# Altium PCB base-32-bit.PcbDoc (part 3 of 3)
Units mil, origin at the board's own origin, x right, y up, seen from the top; angles counter-clockwise.
Board outline 1400 x 1750 mil, 6 copper layers (TOP01, GND02, SIG03, SIG04, PWR05, BOTT06), stack 52.421 mil thick; 71 components, 133 nets, 544 pads, 405 vias.
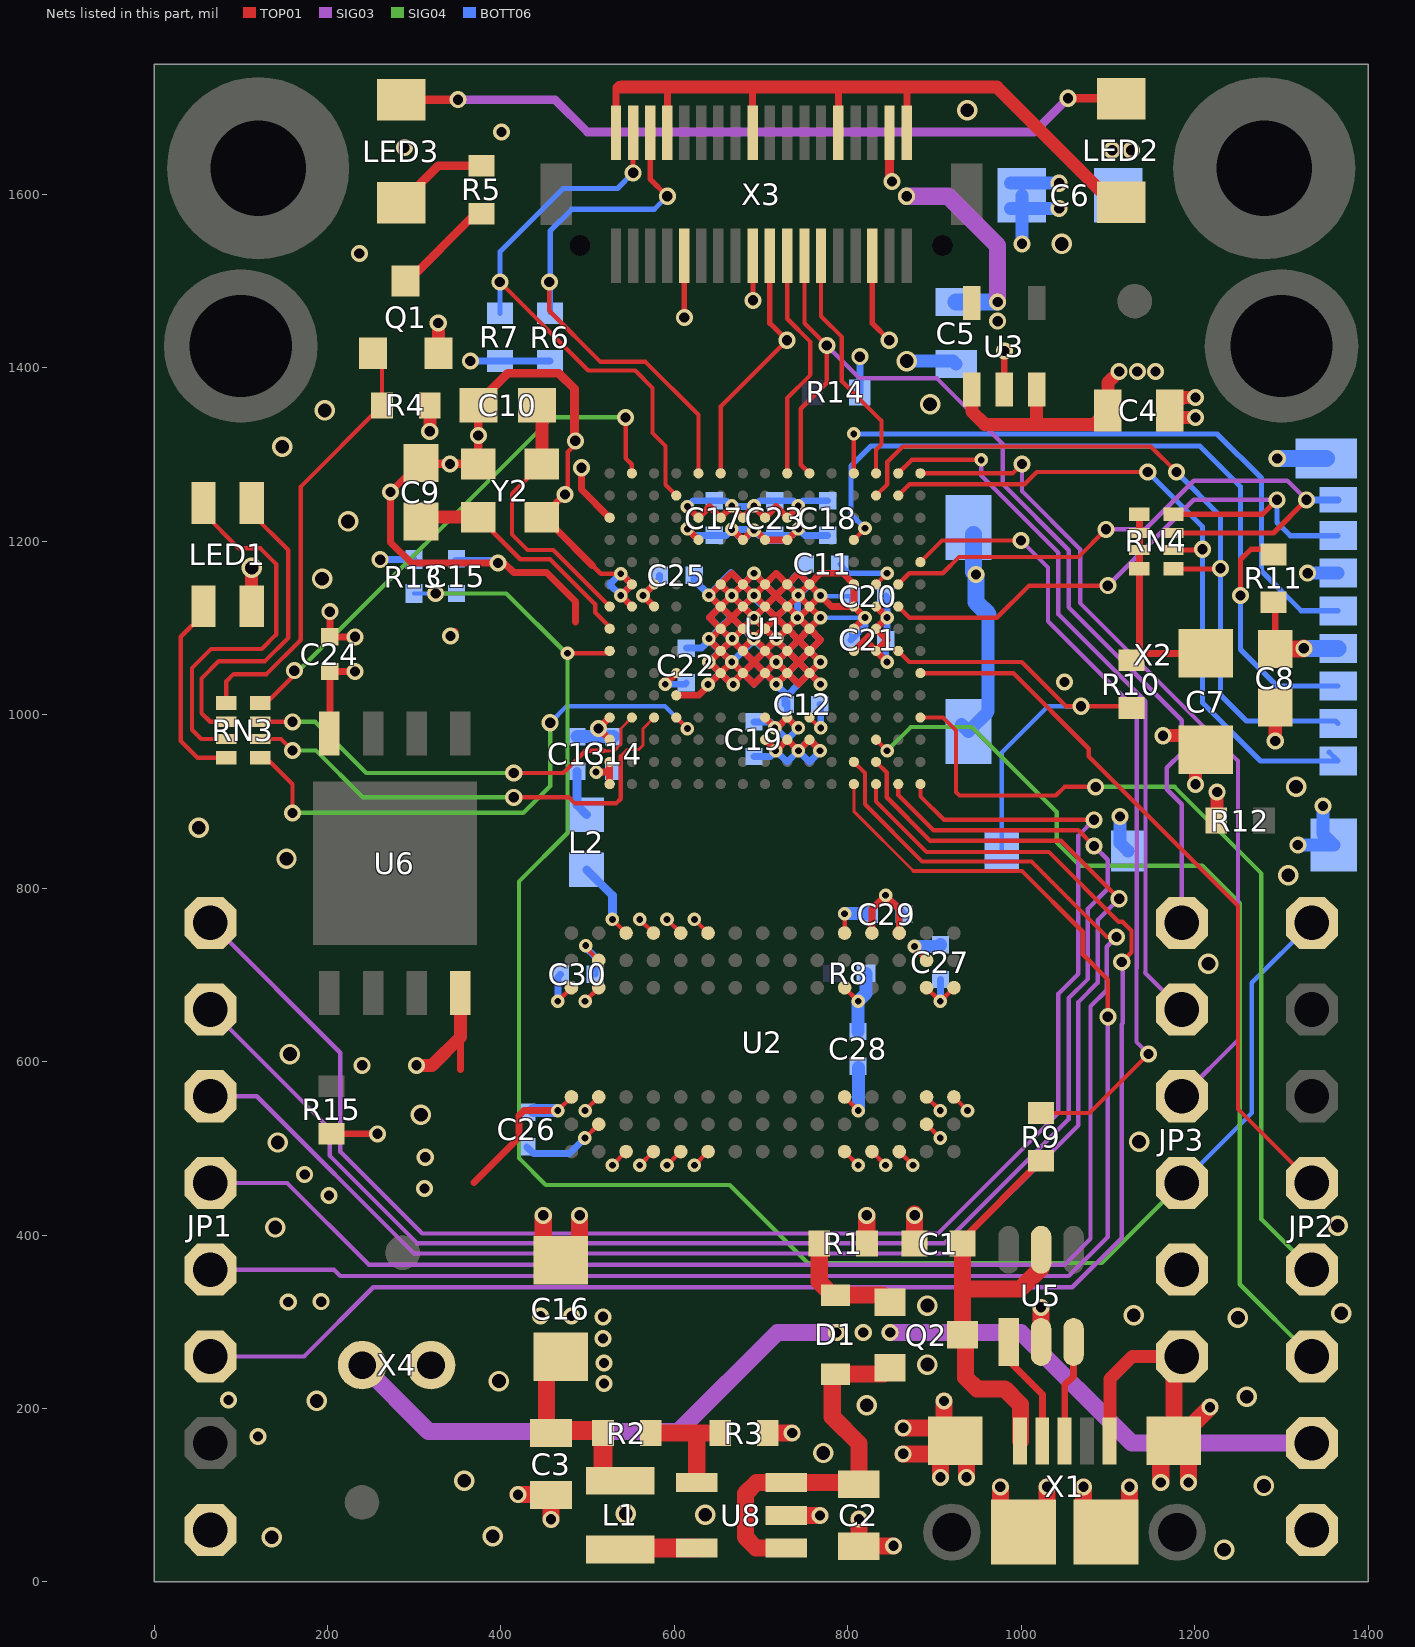
[diagram p7: the nets of this part, all layers, seen from the top]

## Via types
v1: diameter 15.75, hole 7.87, TOP01 to BOTT06, tented both sides, 184 vias
v2: diameter 19.68, hole 11.81, TOP01 to BOTT06, tented both sides, 168 vias
v3: diameter 23.62, hole 15.75, TOP01 to BOTT06, tented both sides, 37 vias
v4: diameter 18/18/18/18 (per signal layer), hole 10, TOP01 to BOTT06, tented both sides, 16 vias

## Nets (pads, with @x,y where several pads share a name; then routed paths per layer and width w, separated by ;. In a path a pad name is that pad's centre, name@x,y a point inside that pad or via, vN(x,y) a via of type N, cw(c..) or ccw(c..) an arc to the next point about the centre after c; other vN are vias at no path point) (continued)
GND: C1.1 C2.1 C3.1 C4.1 C5.1 C6.C C7.C C8.2 C9.1 C10.1 C11.2 C12.2 C13.2 C14.2 C15.2 C16.C C17.2 C18.2 C19.2 C20.2 C21.2 C22.2 C23.2 C24.2 C25.2 C26.2 C27.2 C28.2 C29.2 C30.2 JP2.8 JP3.6 Q1.2 R1.1 R3.1 R4.1 R12.1 U1.D5 U1.D7 U1.D8 U1.D9 U1.F2 U1.F6 U1.F7 U1.F8 U1.F9 U1.F10 U1.F12 U1.G2 U1.G6 U1.G7 U1.G8 U1.G9 U1.G10 U1.G12 U1.H6 U1.H7 U1.H8 U1.H9 U1.H10 U1.H12 U1.J6 U1.J7 U1.J8 U1.J9 U1.J10 U1.K6 U1.K7 U1.K8 U1.K9 U1.K10 U1.L4 U1.M1 U1.M8 U1.M9 U1.N1 U2.A3 U2.B3 U2.B8 U2.C1 U2.D1 U2.E9 U2.F1 U2.L3 U2.L9 U2.M1 U2.N1 U2.P3 U2.P8 U2.R3 U3.2 U5.2 U6.4 U8.2 X1.5 X1.S X2.CD$2 X2.G X2.P$6 X3.5 X3.19 X3.27 X4.2 Y2.2 Y2.4 | length 8597.6
  TOP01 w5: v1(465.55,543.46) U2.A3@481.3,559.21 ; v2(473.76,1253.69) 476.92,1256.85 476.92,1302.85 v2@484.76,1310.69 ; v1(497.04,543.46) U2.B3@512.8,559.21 ; v1@497.05,732.44 U2.B8@512.8,716.69 ; 505.76,1171.69 515.08,1162.37 v1(538.18,1162.37) ; v1(528.54,480.47) U2.C1@544.29,496.22 ; v1(560.03,480.47) U2.D1@575.79,496.22 ; v1(591.53,763.94) U2.E9@607.28,748.19 ; v1(623.03,480.47) U2.F1@638.78,496.22 ; U2.L3@796.26,559.21 v1(812.01,543.46) ; U2.L9@796.26,748.19 v1(796.26,770.46) ; U2.M1@827.76,496.22 v1(843.5,480.47) ; U2.N1@859.25,496.22 v1(875,480.47) ; v1@875,732.44 U2.P8@890.75,716.69 ; U2.P3@890.75,559.21 v1(906.49,543.46) ; U2.R3@922.24,559.21 v1(937.99,543.46)
  TOP01 w6: v2(611.42,1458.03) X3.27@611.42,1529.13 ; v2(690.56,1477.69) X3.19@690.56,1528.73 ; X3.5@828,1529.13 828,1451.38 v2(847.69,1431.69)
  TOP01 w7.87: U1.N1@525.4,971.1 v2(512.61,983.89) U1.M1@525.4,996.69 ; v1(538.18,1162.37) 538.85,1162.37 550.98,1150.24 v1(538.18,1137.44) U1.G2@550.99,1124.65 ; U1.L4@602.17,1022.28 627.75,1022.28 639.89,1034.42 v1@639.63,1034.69 ; v1(614.98,1214.22) U1.D5@627.76,1201.42 ; v1(638.76,1034.69) v1@639.63,1034.69 ; v1(639.76,1060.69) v1@640.58,1060.69 ; v1(639.76,1087.69) 639.76,1087.06 v1@640.57,1086.25 ; v1(639.76,1137.69) 640.3,1137.69 v1@640.54,1137.45 ; U1.F6@653.36,1150.24 v1(666.14,1137.45) ; v1@666.14,1087.07 v1(666.76,1087.69) ; v1(666.15,1213.55) 666.81,1213.55 U1.D7@678.94,1201.42 690.21,1212.69 v1(691.76,1212.69) ; v1(666.76,1087.69) v1@666.14,1087.03 ; U1.J7@678.66,1074.91 v1(691.48,1087.69) ; U1.H7@678.68,1100.5 U1.H7@679.53,1099.65 ; U1.J7@678.94,1073.47 691.74,1060.68 ; U1.J7@678.94,1073.47 v1@666.15,1086.26 ; v1@689.56,1139.61 U1.F7@678.93,1150.23 ; v1(691.48,1087.69) U1.H8@703.67,1099.88 ; v1@691.76,1214.19 v1(691.76,1212.69) ; U1.J8@704.27,1074.88 v1(691.48,1087.69) ; U1.H8@704.29,1100.5 U1.H8@703.67,1099.88 ; U1.M8@704.53,996.69 v1@716.53,984.69 ; U1.K8@704.54,1047.87 691.74,1035.07 U1.K7@678.94,1047.87 ; U1.J8@704.53,1073.47 691.74,1060.68 ; U1.H8@704.54,1099.03 U1.H8@704.76,1098.81 ; U1.H8@705.71,1099.76 U1.H8@704.76,1098.81 ; v1(715.76,984.69) v1@716.53,984.69 ; 717.32,1163.02 U1.F8@704.52,1150.23 ; v1(717.35,1060.66) U1.J8@704.53,1073.47 v1@717.35,1086.25 ; 717.34,1163.04 U1.F9@730.13,1150.24 ; v1(717.76,1087.69) 715.88,1087.69 U1.H8@704.76,1098.81 ; U1.K9@730.13,1047.87 v1(717.35,1060.66) ; U1.H9@730.12,1099.06 717.33,1111.86 ; U1.H9@730.12,1099.06 741.76,1110.71 v1(741.76,1111.69) ; U1.G9@730.12,1124.65 v1@741.76,1113.04 ; U1.F9@730.13,1150.24 742.94,1163.03 U1.F10@755.48,1150.48 ; v1@742.72,1110.73 v1@743.39,1111.41 ; v1@742.76,984.69 742.12,984.69 U1.M9@730.12,996.69 718.12,984.69 v1@716.53,984.69 ; 742.93,1060.66 U1.K10@755.72,1047.87 ; 742.93,1060.67 U1.J9@730.12,1073.47 v1(717.35,1060.66) ; v1@742.93,1111.36 v1@743.18,1111.62 ; v1(742.92,1214.22) U1.D9@730.12,1201.42 U1.D8@704.53,1201.42 693.26,1212.69 v1(691.76,1212.69) ; 742.94,1086.25 U1.J10@755.72,1073.47 ; v1@742.94,1111.86 v1@741.76,1113.04 ; U1.G10@755.47,1124.9 v1(742.7,1137.69) U1.F10@755.48,1150.48 ; U1.G10@755.72,1124.16 v1@743.18,1111.62 ; U1.F10@755.72,1150.24 U1.F10@755.48,1150.48 ; U1.G10@755.97,1124.41 v1@768.5,1111.87 ; U1.G10@755.97,1124.9 v1(768.53,1137.45) ; v1(768.53,1035.09) U1.K10@755.72,1047.87 ; 768.52,1086.26 U1.H10@755.72,1099.06 742.93,1086.27 ; 768.53,1086.26 U1.J10@755.72,1073.47 ; v1@768.76,1111.61 v1@768.5,1111.87 ; v1@768.76,1137.69 v1(768.53,1137.45) ; U1.H12@806.9,1099.06 v1(819.7,1111.85) U1.G12@806.9,1124.65 ; U3.2@980.36,1374.69 v2(980.36,1419.29) ; v1@639.63,1034.69 640.16,1034.69 U1.K6@653.35,1047.87 ; v1@640.56,1060.68 U1.K6@653.35,1047.87 ; v1@640.58,1060.69 U1.J6@653.35,1073.47 ; v1@640.57,1086.25 U1.H6@653.35,1099.03 ; v1@640.57,1086.25 U1.J6@653.35,1073.47 ; v1@640.54,1137.45 666.13,1163.03 U1.F7@678.93,1150.23 ; v1@640.54,1137.45 U1.G6@653.35,1124.65 ; U1.K6@653.35,1047.87 666.54,1034.69 v1(667.76,1034.69) 667.76,1036.7 U1.K7@678.94,1047.87 ; U1.K6@653.35,1047.87 v1(666.16,1060.67) ; U1.J6@653.35,1073.47 v1@666.14,1086.25 ; U1.J6@653.35,1073.47 v1(666.16,1060.67) ; U1.H6@653.35,1099.03 640.56,1111.83 U1.G6@653.35,1124.65 ; U1.H6@653.35,1099.06 666.15,1111.86 ; U1.H6@653.35,1099.06 665.73,1086.66 v1@666.14,1086.25 ; U1.G6@653.35,1124.65 666.15,1111.86 ; U1.G6@653.35,1124.65 v1(666.14,1137.45) ; v1(666.16,1060.67) U1.K7@678.94,1047.87 ; v1@666.15,1086.26 U1.H7@678.94,1099.06 ; v1@666.14,1087.03 666.14,1086.27 665.76,1086.65 v1@666.14,1087.03 ; 666.15,1111.85 U1.H7@678.94,1099.06 ; 666.15,1111.86 U1.G7@678.92,1124.63 ; v1(666.14,1137.45) U1.G7@678.94,1124.65 ; v1(666.14,1137.45) U1.F7@678.93,1150.23 ; U1.G7@678.92,1124.63 v1(691.73,1137.45) ; U1.G7@678.92,1124.63 v1(691.71,1111.85) ; U1.F7@678.93,1150.23 v1(691.72,1163.03) U1.F8@704.52,1150.23 ; U1.K7@678.94,1047.87 691.74,1060.68 ; U1.H7@678.94,1099.06 U1.H7@679.53,1099.65 ; U1.H7@679.53,1099.65 v1@691.72,1111.84 ; U1.H7@679.53,1099.65 v1(691.48,1087.69) ; v1@691.72,1111.84 U1.H8@703.67,1099.88 ; v1@691.72,1111.84 U1.G8@704.51,1124.63 ; v1(691.73,1137.45) U1.G8@704.53,1124.65 ; v1(691.73,1137.45) U1.F8@704.52,1150.23 ; 691.74,1060.68 U1.K8@704.54,1047.87 ; U1.H8@703.67,1099.88 704.5,1099.05 717.33,1111.86 ; U1.G8@704.53,1124.65 717.33,1137.45 ; U1.G8@704.53,1124.65 717.33,1111.86 ; U1.F8@704.52,1150.23 717.31,1137.45 ; U1.K8@704.54,1047.87 v1(717.35,1060.66) ; U1.K8@704.54,1047.87 v1(717.36,1035.08) U1.K9@730.13,1047.87 ; 717.33,1111.86 U1.G9@730.12,1124.65 ; 717.33,1137.45 U1.F9@730.13,1150.24 ; 717.33,1137.45 U1.G9@730.12,1124.65 ; v1@717.35,1086.25 U1.H9@730.12,1099.06 742.93,1086.27 ; v1@717.35,1086.25 U1.J9@730.12,1073.47 742.93,1086.27 ; U1.G9@730.12,1124.65 742.92,1137.45 U1.F9@730.13,1150.24 ; U1.K9@730.13,1047.87 U1.J10@755.72,1073.47 ; U1.K9@730.13,1047.87 742.94,1035.09 U1.K10@755.72,1047.87 ; v1(741.76,1111.69) 743.11,1111.69 v1@743.18,1111.62 ; v1(741.76,1111.69) v1@741.76,1113.04 ; v1@743.18,1111.62 v1@743.39,1111.41 ; v1@743.39,1111.41 U1.H10@755.72,1099.06 v1@768.5,1111.87 ; U1.K10@755.72,1047.87 v1(768.52,1060.68) U1.J10@755.72,1073.47 ; v1(768.53,1137.45) 755.74,1150.24 768.54,1163.03 794.11,1163.03 U1.F12@806.9,1150.24 U1.G12@806.9,1124.65 ; v1(768.53,1137.45) 781.32,1124.65 U1.G12@806.9,1124.65
  TOP01 w8: v2(202.76,1118.69) C24.2@202.76,1089.69 v2(231.76,1089.69) ; C9.1@307.76,1290.15 306.22,1290.15 v2(272.76,1256.69) 272.76,1198.69 296.76,1174.69 v2(396.76,1174.69) 403.76,1174.69 414.76,1163.69 452.76,1163.69 485.76,1130.69 485.76,1106.69 ; v2(341.76,1090.69) v2@347.09,1096.02 ; 353.35,591.1 353.35,628.28 ; 368.76,460.69 420.76,512.69 420.76,537.69 426.53,543.46 v1(465.55,543.46) ; v2(473.76,1253.69) 473.15,1253.69 Y2.2@447.13,1227.67 459.12,1215.69 461.76,1215.69 505.76,1171.69
  TOP01 w10: C9.1@307.76,1290.15 308.83,1289.09 v2(341.37,1289.09) Y2.4@373.91,1289.09 v2(373.91,1321.69) C10.1@373.91,1356.3 ; C10.1@374.3,1356.69 374.3,1360.23 407.76,1393.69 466.76,1393.69 484.76,1375.69 v2@484.76,1310.69
  TOP01 w15: v2(302.76,595.69) 320.76,595.69 353.35,628.28 U6.4@353.35,679.08 ; v2(317.96,1326.69) R4.1@317.96,1356.69 R4.1@317.96,1361.49 ; v2(327.76,1451.69) 327.76,1416.89 Q1.2@327.96,1416.69 ; X1.5@1102,162.5 1102,233.93 1128.07,260 JP3.6@1185,260 ; v2(1163.22,975.69) C7.C@1201.76,975.69 ; C4.1@1171.19,1350.69 1186.19,1365.69 v2(1200.76,1365.69) ; C4.1@1180.76,1339.69 1183.76,1342.69 v2(1200.76,1342.69) ; v2(1200.76,919.69) 1200.76,943.69 C7.C@1212.76,955.69 ; R12.1@1224.76,877.69 1226.76,879.69 1225.76,880.69 v2(1225.76,910.69) ; v2(1292.76,969.69) C8.2@1292.76,1008.23
  TOP01 w19.68: v2(419.76,100.69) C3.1@447.76,100.69 ; C16.C@448.76,391.69 v2@448.76,419.69 ; v2(457.76,72.26) C3.1@457.76,100.26 ; C16.C@490.76,391.69 v2@490.76,418.69 ; R3.1@707.76,171.69 v2(735.76,171.69) ; U8.2@739.76,76.69 v2(767.76,76.69) ; C2.1@812.76,44.69 v2(812.76,72.69) ; v2(821.76,422.69) 821.76,390.26 R1.1@822.02,390 ; C2.1@824.76,41.69 v2(852.76,41.69) ; v2(863.76,147.69) 891.76,147.69 ; v2(863.76,177.69) 891.76,177.69 ; C1.1@877.02,390 v2(877.02,422.69) v2@877.02,424.43 ; v2(906.76,120.69) X1.S@906.76,148.69 ; X1.S@910.76,180.69 v2(910.76,208.69) ; v2(936.76,120.69) X1.S@936.76,148.69 ; X1.S@975.76,81.69 v2(975.76,109.69) ; U5.2@1022.76,276.69 v2(1022.76,316.69) ; X1.S@1029.76,81.69 v2(1029.76,109.69) ; X1.S@1071.76,81.69 v2(1071.76,109.69) ; X1.S@1124.76,81.69 v2(1124.76,109.69) ; v2(1160.76,114.69) X1.S@1160.76,142.69 ; v2(1192.76,114.69) X1.S@1192.76,142.69 ; X1.S@1197.76,181.69 v2(1217.56,201.49)
  TOP01 w20: X1.S@1176,162.5 1176,251 JP3.6@1185,260
  BOTT06 w5: v1@767.76,1137.44 768.51,1136.69 C20.2@803.76,1136.69 803.76,1127.79 v1(819.7,1111.85) ; v1(768.52,1111.88) v1(819.7,1111.85) ; C21.2@803.76,1086.24 803.76,1095.92 v1(819.7,1111.85)
  BOTT06 w7.87: v1(497.76,733.69) 497.76,731.73 508.76,720.73 C30.2@508.76,700.69 ; v2(512.61,983.89) 521.81,974.69 C14.2@529.76,974.69 ; v1(538.18,1162.37) 537.52,1162.37 525.39,1150.24 v1(538.18,1137.44) 550.98,1150.24 v1@538.18,1163.03 ; v1(614.98,1214.22) 622.5,1206.69 C17.2@645.76,1206.69 ; v1(638.76,1034.69) 639.5,1034.69 652.69,1047.88 ; v1(639.76,1060.69) 652.56,1073.49 v1@639.76,1086.28 ; v1(639.76,1087.69) 640.76,1087.69 652.73,1099.66 ; v1@640.56,1060.68 666.54,1034.69 v1(667.76,1034.69) 667.76,1036.7 678.94,1047.88 ; v1@640.57,1086.26 653.36,1073.47 ; 652.56,1125.44 639.76,1138.23 665.35,1163.82 ; 653.34,1150.24 v1(666.14,1137.45) ; 665.35,1112.28 652.73,1099.66 ; 666.14,1163.04 678.93,1150.25 ; v1(666.15,1213.55) 678.94,1200.76 691.32,1213.13 v1@691.74,1213.55 ; v1(666.76,1087.69) 664.7,1087.69 653.35,1099.04 652.73,1099.66 ; 678.97,1073.46 691.75,1060.68 ; v1@691.76,1086.26 704.54,1073.48 ; v1(691.76,1212.69) 697.76,1206.69 C23.2@715.76,1206.69 735.39,1206.69 v1(742.92,1214.22) 750.44,1206.69 C18.2@776.76,1206.69 ; 704.53,1047.88 691.74,1035.09 678.94,1047.88 ; 704.5,1124.64 703.55,1123.69 ; 704.51,1150.24 v1(691.72,1163.03) 678.93,1150.25 ; 704.54,1124.62 717.33,1111.83 ; 704.54,1150.21 717.31,1137.44 730.13,1124.62 717.33,1111.83 ; v1(715.76,984.69) v1@716.53,984.69 ; v1@717.35,1086.26 730.15,1073.46 v1(717.35,1060.66) ; C12.2@730.12,1014.78 730.12,996.69 ; 730.16,1022.28 742.95,1035.08 ; 742.93,1086.26 730.14,1099.05 v1@742.92,1111.83 ; v1@742.93,1111.87 742.43,1112.37 741.76,1113.04 741.76,1137.69 v1(742.7,1137.69) 730.14,1150.24 742.94,1163.04 755.73,1150.24 ; v1@742.95,1111.85 755.75,1099.05 ; v1@742.94,1137.45 755.73,1150.24 ; 755.73,1099.06 742.93,1086.26 ; v1(768.53,1035.09) 755.75,1047.87 ; v1(768.52,1060.68) 755.74,1073.45 ; v1(768.53,1137.45) 755.73,1150.24 ; v1(768.52,1060.68) 755.75,1047.87 ; v1(768.52,1111.88) 755.75,1099.05 ; C21.2@803.76,1086.24 819.7,1102.17 v1(819.7,1111.85) ; 652.73,1099.66 640.56,1111.84 653.35,1124.63 ; 653.36,1073.47 v1(666.16,1060.67) ; 653.36,1073.47 v1@666.16,1086.26 ; 653.34,1124.65 v1(666.14,1137.45) ; 653.34,1124.65 678.93,1099.06 v1@691.71,1111.82 ; v1(666.16,1060.67) 678.94,1047.88 ; v1(666.16,1060.67) 678.95,1073.47 ; v1@666.16,1086.26 678.95,1073.47 ; v1@666.16,1086.26 665.76,1086.66 v1(666.76,1087.69) v1@666.76,1086.86 ; v1@666.16,1086.26 v1@666.76,1086.86 ; v1(666.14,1137.45) 678.93,1124.65 ; v1(666.14,1137.45) 678.93,1150.24 ; v1@666.76,1086.86 678.94,1099.04 v1@691.73,1086.25 ; 678.93,1124.65 v1@690.76,1136.48 ; 678.93,1124.65 v1@691.72,1111.86 ; 678.93,1150.24 v1(691.73,1137.45) v1@690.76,1136.48 ; 678.94,1047.88 691.75,1060.68 ; 678.95,1073.47 v1@691.73,1086.25 ; v1@690.76,1136.48 703.55,1123.69 ; v1@691.73,1086.25 704.52,1099.04 v1@691.71,1111.82 ; v1@691.72,1111.86 703.55,1123.69 ; 691.75,1060.68 704.56,1047.87 ; 691.75,1060.68 704.54,1073.48 ; 704.56,1047.87 v1(717.35,1060.66) ; 704.57,1047.87 v1(717.36,1035.08) 730.16,1047.87 ; 704.54,1073.48 v1(717.35,1060.66) ; 704.54,1073.48 v1@717.32,1086.26 ; v1@716.53,984.69 730.12,971.1 742.76,983.74 742.76,984.69 742.12,984.69 730.12,996.69 ; v1@716.53,984.69 718.12,984.69 730.12,996.69 ; v1@717.32,1086.26 716.82,1086.75 704.54,1099.03 717.33,1111.83 ; v1@717.32,1086.26 717.76,1086.7 v1(717.76,1087.69) 718.79,1087.69 730.13,1099.03 717.33,1111.83 ; v1(717.35,1060.66) 730.16,1047.87 ; 730.16,1047.87 742.95,1060.66 ; 730.16,1047.87 742.95,1035.08 ; 742.93,1086.26 755.74,1073.45 ; 742.93,1086.26 730.14,1073.47 742.95,1060.66 ; 742.95,1035.08 755.75,1047.87 ; 742.95,1060.66 755.74,1073.45 ; 742.95,1060.66 755.75,1047.87 ; 755.74,1073.45 768.54,1086.26 755.75,1099.05
  BOTT06 w8: C22.2@613.76,1076.69 631.01,1076.69 639.76,1085.44 639.76,1086.28 v1(639.76,1087.69) ; C25.2@622.76,1160.69 622.76,1155.23 639.76,1138.23 v1(639.76,1137.69) ; C17.2@645.76,1206.69 659.28,1206.69 v1(666.15,1213.55) 690.9,1213.55 691.32,1213.13 v1(691.76,1212.69) ; C19.2@691.76,991.69 710.76,991.69 715.76,986.69 v1(715.76,984.69) ; v1(717.36,1035.08) 727.76,1024.68 C12.2@727.76,1011.69
  BOTT06 w10: C15.2@347.76,1176.69 v2@397.76,1176.69
  BOTT06 w15: C26.2@437.53,543.46 v1(465.55,543.46) ; C13.2@487.76,974.69 521.81,974.69 C14.2@529.76,974.69 ; v1(796.26,770.46) 823.99,770.46 C29.2@824.76,769.69 ; v1(812.01,543.46) C28.2@812.01,593.44 ; v3(867.76,1407.69) 921.33,1407.69 C5.1@924.76,1404.26 ; v1(876.76,732.69) 904.26,732.69 904.51,732.44 C27.2@906.76,734.69 ; X2.G@930.76,988.81 X2.G@938.98,980.59 961.76,1003.37 961.76,1115.69 ; C6.C@987.76,1583.69 C6.C@1000.64,1583.69 ; C6.C@987.76,1612.69 v2(1043.64,1612.69) ; v2(1000.64,1542.81) C6.C@1000.64,1583.69 ; C6.C@1000.64,1598.69 C6.C@1000.64,1583.69 ; v2(1043.64,1583.69) C6.C@1000.64,1583.69 ; v2(1113.76,882.69) 1113.76,852.07 X2.CD$2@1123.03,842.8 ; v2(1318.76,849.69) X2.G@1360.24,849.68 1347.76,862.16 v2(1347.76,894.69) ; v2(1330.14,1163.07) X2.P$6@1365.16,1163.07
  BOTT06 w19.68: v2@944.76,1164.69 X2.G@944.76,1207.41 ; v2(947.76,1161.69) 947.76,1129.69 961.76,1115.69
  BOTT06 w20: v2(1295.1,1295.35) X2.G@1351.38,1295.35
  other v1: 742.92,984.69
  other v2: 119.76,167.69 85.76,209.69 154.76,322.69 192.76,323.12 448.76,422.69 490.76,422.69 201.76,445.69 311.76,453.69 173.76,469.69 312.76,489.69 240,595.69 1049.74,1037.69 485.76,1315.69 236.76,1531.69 288.76,1653.69 400.76,1671.69
  other v3: 1233.76,37.32 135.76,51.69 390.76,52.69 635.76,77.69 543.76,78.69 1279.76,110.69 357.76,116.69 771.76,148.69 821.76,203.69 187.76,208.69 1259.76,213.69 397.76,231.69 891.76,250.69 1249.76,304.69 1129.76,307.69 1368.76,309.69 891.76,318.69 139.76,408.69 1364.76,410.69 142.76,506.69 1135.76,507.69 307.76,538.69 156.76,608.69 1215.76,712.69 1307.76,814.69 152.76,833.69 51.76,869.69 1316.76,916.69 193.76,1156.69 223.76,1222.69 147.76,1308.69 196.76,1350.69 894.76,1357.69 1046.76,1542.69 937.76,1696.69
I2C1_SCL: R6.2 U1.A5 X3.32 | length 649.3
  TOP01 w5: v2(455.76,1498.69) 455.76,1465.69 514.76,1406.69 566.76,1406.69 627.76,1345.69 U1.A5@627.76,1278.19
  TOP01 w6: X3.32@572.05,1671 572.05,1617.45 v2(591.81,1597.69)
  BOTT06 w6: R6.2@456.76,1463.69 456.76,1557.69 481.76,1582.69 576.81,1582.69 v2(591.81,1597.69)
I2C1_SDA: R7.2 U1.B4 X3.34 | length 669.9
  TOP01 w5: v2(398.76,1498.69) 500.76,1396.69 554.76,1396.69 574.76,1376.69 574.76,1324.69 589.76,1309.69 589.76,1265.02 U1.B4@602.18,1252.6
  TOP01 w6: v2(552.44,1624.69) X3.34@552.44,1670.28
  BOTT06 w6: R7.2@398.76,1462.69 v2(398.76,1498.69) 398.76,1533.69 471.76,1606.69 534.44,1606.69 v2(552.44,1624.69)
I2C2_SCL: JP1.5 U1.R12 | length 1773.2
  TOP01 w3.5: U1.R12@806.9,919.92 806.9,888.55 875.76,819.69
  TOP01 w5: 875.76,819.69 1000.76,819.69 1070.76,749.69 1070.76,723.69 1099.76,694.69 v2(1099.76,651.69)
  SIG03 w5: JP1.5@65,360 207.45,360 214.76,352.69 1054.76,352.69 1099.76,397.69 v2(1099.76,651.69)
I2C2_SDA: JP1.6 U1.R13 | length 1843.7
  TOP01 w5: U1.R13@832.49,919.92 832.49,899.96 890.76,841.69 1031.76,841.69 1112.42,761.03 1116.94,761.03 1127.1,750.87 1127.1,726.03 v2(1115.76,714.69)
  SIG03 w5: JP1.6@65,260 173.07,260 252.76,339.69 1058.76,339.69 1115.76,396.69 1115.76,643.16 1117.1,644.51 1117.1,713.35 v2(1115.76,714.69)
LED_B: RN3.1 U1.M4 | length 660.4
  TOP01 w5: RN3.1@122.76,950.35 129.1,950.35 159.76,919.69 v2(159.76,886.69) ; U1.M4@602.17,996.69 v1(614.97,983.89)
  SIG04 w5: v2(159.76,886.69) 425.76,886.69 456.76,917.69 v2(456.76,990.69)
  BOTT06 w5: v2(456.76,990.69) 475.76,1009.69 589.17,1009.69 v1(614.97,983.89)
LED_G: RN3.2 U1.M3 | length 565.5
  TOP01 w3.5: 538.18,952.11 545.64,959.57 558.64,959.57 563.79,964.72 563.79,983.89 U1.M3@576.58,996.69
  TOP01 w5: RN3.2@122.76,972.01 146.45,972.01 v2(159.76,958.69) ; v2(414.76,904.69) 478.43,904.69 485.43,897.69 532.76,897.69 538.18,903.11 538.18,952.11
  SIG04 w5: v2(159.76,958.69) 186.76,958.69 240.76,904.69 v2(414.76,904.69)
LED_IR: RN3.4 U1.A2 | length 624.9
  TOP01 w5: RN3.4@122.76,1013.34 129.41,1013.34 v2@166.76,1050.69 ; v2(543.76,1342.69) 543.76,1295.69 550.76,1288.69 550.76,1278.42 U1.A2@550.99,1278.19
  SIG04 w5: v2@166.76,1050.69 458.76,1342.69 v2(543.76,1342.69)
  other v2: 161.76,1050.69
LED_R: RN3.3 U1.M2 | length 489.7
  TOP01 w3.5: 519.24,958.3 530.5,958.3 538.33,966.14 538.33,984.03 U1.M2@550.99,996.69
  TOP01 w5: RN3.3@122.76,991.69 v2(159.76,991.69) ; v2(414.76,932.69) 471.76,932.69 497.38,958.3 519.24,958.3
  SIG04 w5: v2(159.76,991.69) 185.76,991.69 244.76,932.69 v2(414.76,932.69)
NetC9_2: C9.2 U1.H1 Y2.1 | length 279.7
  TOP01 w5: C9.2@307.76,1222.69 C9.2@312.71,1227.64 ; Y2.1@373.91,1227.64 422.36,1179.19 456.72,1179.19 508.76,1127.15 508.76,1117.69 525.4,1101.05 U1.H1@525.4,1099.06
  TOP01 w15: C9.2@312.71,1227.64 Y2.1@373.91,1227.64
NetC10_2: C10.2 U1.G1 Y2.3 | length 312.5
  TOP01 w5: C10.2@441.76,1356.69 C10.2@447.13,1351.32 ; Y2.3@447.13,1289.09 412.76,1254.72 412.76,1207.69 430.6,1189.85 460.2,1189.85 U1.G1@525.4,1124.65
  TOP01 w15: Y2.3@447.13,1289.09 C10.2@447.13,1351.32
NetC13_1: C13.1 C14.1 L2.1 U1.P1 U1.R1 | length 94.8
  TOP01 w8: v1(509.76,933.69) 524.4,933.69 ; U1.R1@525.4,919.92 U1.P1@525.4,945.51
  BOTT06 w10: C13.1@487.76,934.69 487.76,895.69 L2.1@498.76,884.69
NetLED1_B: LED1.B RN3.8 | length 226.8
  TOP01 w5: LED1.B@57,1125 57,1115.93 30.76,1089.69 30.76,969.69 50.1,950.35 RN3.8@83.39,950.35
NetLED1_G: LED1.G RN3.7 | length 429.2
  TOP01 w5: LED1.G@57,1244.06 57,1232.45 97.76,1191.69 122.76,1191.69 140.76,1173.69 140.76,1092.27 124.18,1075.69 65.76,1075.69 43.76,1053.69 43.76,982.69 54.45,972.01 RN3.7@83.39,972.01
NetLED1_R: LED1.R RN3.6 | length 365.2
  TOP01 w5: RN3.6@83.39,991.69 64.76,991.69 54.76,1001.69 54.76,1041.69 74.76,1061.69 127.99,1061.69 154.76,1088.46 154.76,1189.69 112.56,1231.89 LED1.R@112.56,1244.06
NetLED2_C: LED2.C LED3.A | length 861.9
  TOP01 w10: LED3.A@285,1709.06 v2(350.39,1709.06) ; v2(1053.76,1710.69) 1114.31,1710.69 LED2.C@1115,1710
  SIG03 w10: v2(350.39,1709.06) 462.39,1709.06 499.76,1671.69 1014.76,1671.69 v2(1053.76,1710.69)
NetLED3_C: LED3.C R5.2 | length 110.4
  TOP01 w10: LED3.C@285,1590 327.69,1632.69 R5.2@377.76,1632.69
NetQ1_1: Q1.1 R4.2 RN3.5 | length 504.3
  TOP01 w5: RN3.5@83.39,1013.34 83.39,1038.32 91.76,1046.69 129.76,1046.69 169.34,1086.27 169.34,1263.07 R4.2@262.96,1356.69 262.96,1406.29 Q1.1@252.56,1416.69
NetQ1_3: Q1.3 R5.1 | length 124.3
  TOP01 w10: Q1.3@289.96,1500.06 293.13,1500.06 369.07,1576 R5.1@382.76,1576
NetR2_1: R2.1 R3.2 U8.4 | length 135
  TOP01 w19.68: R2.1@572.76,171.69 R3.2@652.76,171.69 ; U8.4@625.76,114.69 625.76,169.69
NetR9_1: R9.1 U1.E15 | length 931.7
  TOP01 w5: U1.E15@883.67,1175.83 908.53,1200.69 v2(999.76,1200.69) ; R9.1@1022.76,540.69 1078.76,540.69 v2(1146.76,608.69)
  SIG03 w5: v2(999.76,1200.69) 1030.76,1169.69 1030.76,1107.69 1133.1,1005.35 1133.1,707.51 1132.76,707.16 1132.76,622.69 v2(1146.76,608.69)
NetU5_1: U5.1 X1.2 | length 130.4
  TOP01 w7.87: U5.1@985.36,276.69 985.36,255.09 1024.41,216.04 X1.2@1024.41,162.5
NetU5_3: U5.3 X1.3 | length 118.4
  TOP01 w7.87: X1.3@1050,162.5 1050,226.93 1060.16,237.09 U5.3@1060.16,276.69
NRST: C15.1 JP2.1 JP3.4 R13.1 U1.J1 | length 2099.5
  TOP01 w5: v1(476.76,1070.69) 522.62,1070.69 U1.J1@525.4,1073.47
  SIG04 w5: v2(324.76,1139.69) 406.2,1139.69 475.2,1070.69 v1(476.76,1070.69) 476.76,864.13 476.98,863.91 420.76,807.69 420.76,488.69 451.76,457.69 663.76,457.69 753.76,367.69 1092.69,367.69 JP3.4@1185,460
  BOTT06 w5: R13.1@299.76,1139.69 v2(324.76,1139.69) C15.1@348.76,1139.69 ; JP3.4@1185,460 1265.76,540.76 1265.76,690.76 JP2.1@1335,760
P9: JP2.4 U1.K15 | length 837.4
  TOP01 w5: U1.K15@883.67,1047.87 990.58,1047.87 1077.76,960.69 1077.76,951.69 1249.76,779.69 1249.76,545.24 JP2.4@1335,460
RAW: C2.2 D1.1 Q2.2 U8.1 U8.3 | length 448.9